# Altium PCB MB1605.PcbDoc (part 9 of 11) (continued)
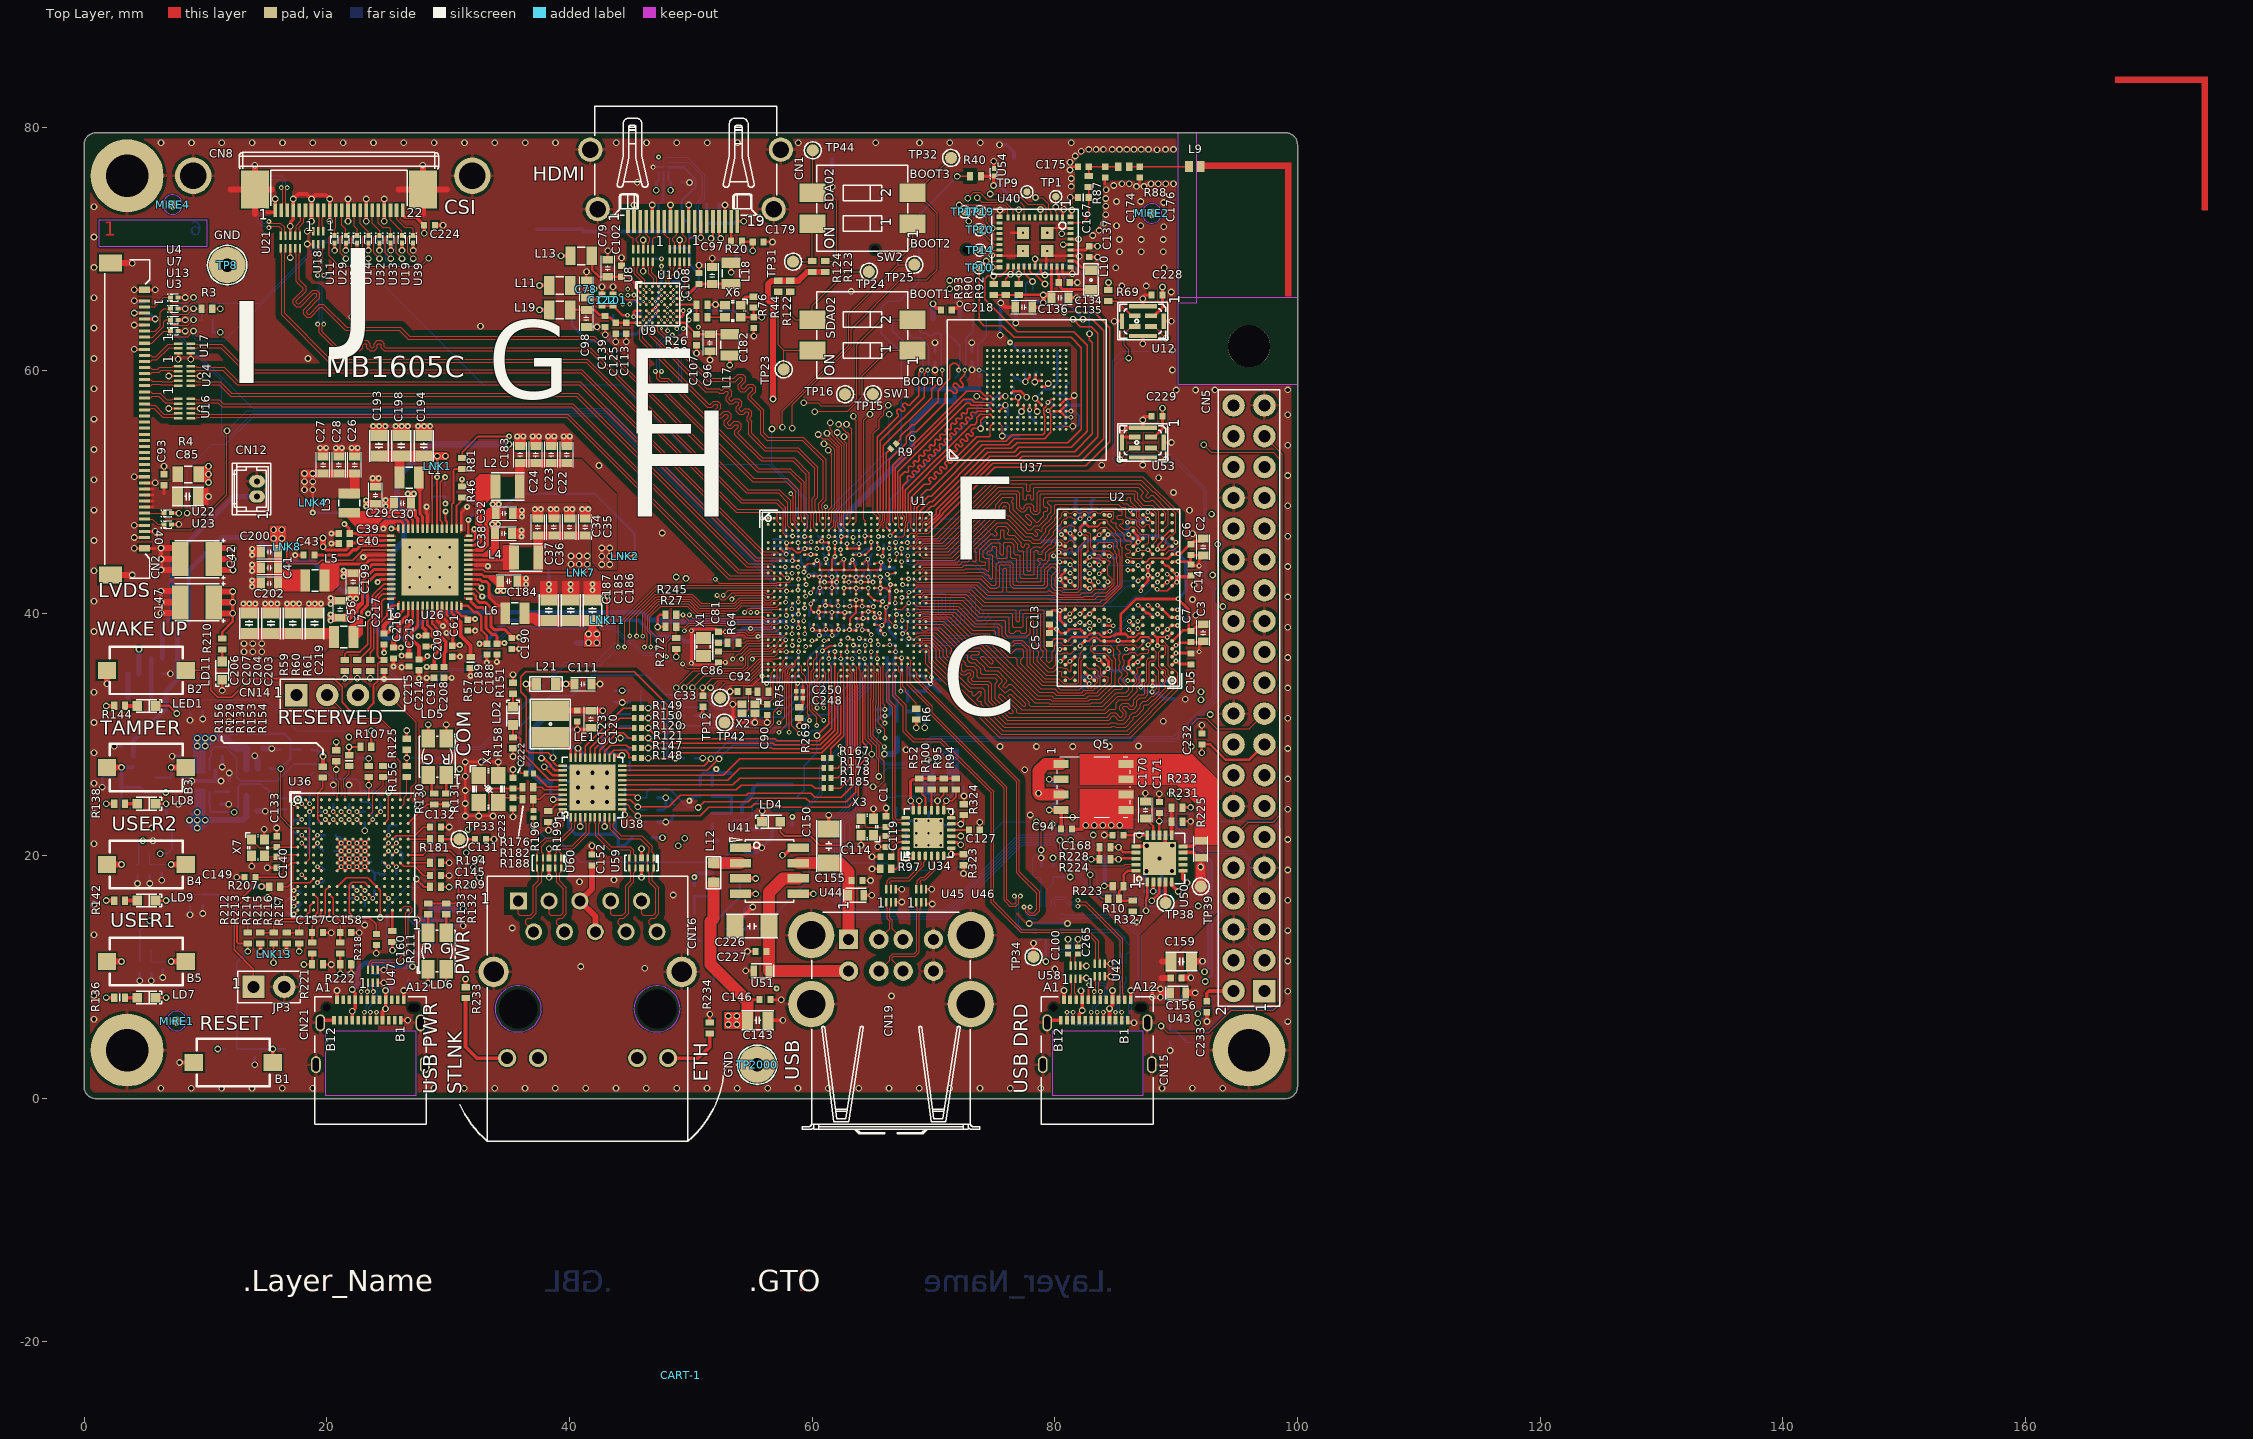
[diagram p0: Top Layer view]
## Nets (pads, with @x,y where several pads share a name; then routed paths per layer and width w, separated by ;. In a path a pad name is that pad's centre, name@x,y a point inside that pad or via, vN(x,y) a via of type N, cw(c..) or ccw(c..) an arc to the next point about the centre after c; other vN are vias at no path point) (continued)
SD.uSD_DETECT: R40.1 U1.G13 | length 38.6
  Top Layer w0.1: U1.G13@62.375,44.825 v3@62.375,45.3
  Top Layer w0.11: v1(71.95,76) 72.99,76 R40.1@73.015,76.025
  Bottom Layer w0.11: v3@62.343,45.253 62.343,45.88 62.045,46.178 61.906,46.317 61.906,48.34 67.341,53.775 67.341,61.453 65.707,63.087 65.707,65.218 66.215,65.726 67.197,65.726 68.768,67.297 68.768,72.818 v1(71.95,76)
  other v3: 62.34,45.25
SRC_GDPG: C94.1 Q5.2 Q5.4 R325.2 U50.5 | length 24.1
  Top Layer w0.2: Q5.2@80.528,26.329 Q5.2@80.533,26.334
  Top Layer w0.3: v1(79.533,23.789) Q5.4@80.528,23.789 ; v1(79.533,26.329) Q5.2@80.528,26.329 ; C94.1@80.533,22.224 Q5.4@80.533,23.794 ; U50.5@89.613,17.873 89.613,17.623 v1(90.163,17.073)
  Signal Layer 2 w0.3: v1(79.533,23.789) 88.476,23.789 90.2,22.065 90.2,17.11 v1(90.163,17.073)
  Bottom Layer w0.3: v1(79.533,23.789) 80.225,24.481 R325.2@80.225,25.178 80.225,25.637 v1(79.533,26.329)
SRC_GDPS: Q5.1 Q5.3 R325.1 U50.6 | length 25.5
  Top Layer w0.3: U50.6@90.538,18.798 90.538,18.148 v1(90.888,17.798)
  Top Layer w1: Q5.3@80.52,25.052 78.781,25.052 v1(78.655,25.178) 78.655,27.006 79.241,27.592 Q5.1@80.52,27.592
  Signal Layer 2 w0.3: v1(78.655,25.178) 79.433,25.178 80.273,24.338 88.683,24.338 90.888,22.133 v1(90.888,17.798)
  Bottom Layer w0.3: v1(78.655,25.178) R325.1@79.325,25.178
STLK_LED: R130.1 R131.2 U36.D15 | length 3.8
  Top Layer w0.12: U36.D15@26.715,22.682 28.283,24.25 R130.1@28.83,24.25
  Top Layer w0.2: R130.1@28.83,24.25 R131.2@29.858,24.25
STLK_NRST: C149.2 JP3.1 U36.J1 | length 14.7
  Top Layer w0.12: JP3.1@13.965,9.211 13.965,10.68 12.374,12.271 12.374,15.925 14.131,17.683 C149.2@14.131,18.239 ; C149.2@14.126,18.257 16.42,18.257 16.675,18.512 16.675,19.032 17.075,19.432 U36.J1@17.615,19.432
STLK_OSC_IN: C133.2 U36.G1 X7.1 | length 4.1
  Top Layer w0.1: X7.1@13.815,21.357 13.815,21.307 14.44,20.682 15.44,20.682 15.49,20.732 C133.2@15.885,20.732
  Top Layer w0.12: C133.2@15.885,20.732 U36.G1@17.615,20.732
STLK_OSC_OUT: C140.1 U36.H1 X7.3 | length 2.8
  Top Layer w0.1: X7.3@14.865,20.007 14.94,19.932 C140.1@15.885,19.932
  Top Layer w0.12: C140.1@15.885,19.932 16.44,19.932 16.59,20.082 U36.H1@17.615,20.082
STLK_SWCLK: CN14.2 U36.A14 | length 12.6
  Top Layer w0.1: CN14.2@20.035,33.257 21.93,31.363 24.431,31.363 25.045,30.748 25.74,30.053 25.74,28.092 26.065,27.767 U36.A14@26.065,24.632
STLK_SWDIO: CN14.4 U36.A15 | length 9.8
  Top Layer w0.1: CN14.4@25.115,33.257 27.365,31.007 27.365,26.04 26.975,25.65 26.975,24.892 U36.A15@26.715,24.632
STLK_UCPD_CC1_C: C157.1 R217.1 U36.M5 | length 5.3
  Top Layer w0.12: 19.058,14.325 19.89,15.157 19.89,17.157 U36.M5@20.215,17.482
  Top Layer w0.125: C157.1@18.795,13.682 18.795,14.251 18.868,14.325 19.058,14.325
  Top Layer w0.2: R217.1@18.795,12.857 C157.1@18.795,13.682
STLK_UCPD_CC2_C: C158.1 R218.1 U36.N5 | length 4.3
  Top Layer w0.12: U36.N5@20.215,16.832 20.54,16.507 20.54,15.207 21.115,14.632 C158.1@21.115,13.682
  Top Layer w0.2: R218.1@21.115,12.857 C158.1@21.115,13.682
STLK_USB_CN_N: CN21.A7 CN21.B7 U47.2 | length 5.5
  Top Layer w0.1: CN21.B7@23.1,6.46 v2(23.1,7.12) ; U47.2@23.8,9.561 23.8,8.87 v2(23.85,8.82) CN21.A7@23.85,8.16
  Bottom Layer w0.1: v2(23.1,7.12) 23.1,7.189 23.24,7.329 23.24,7.642 23.324,7.726 23.961,8.364 24.205,8.607 24.205,9.089 24.039,9.255 23.769,9.255 23.71,9.196 23.71,9.029 23.85,8.889 v2(23.85,8.82)
STLK_USB_CN_P: CN21.A6 CN21.B6 U47.1 | length 6.3
  Top Layer w0.1: CN21.A6@23.35,8.16 v2(23.35,8.82) 23.4,8.87 U47.1@23.4,9.561 ; CN21.B6@23.6,6.46 v2(23.6,7.12)
  Bottom Layer w0.1: v2(23.35,8.82) 23.35,8.889 23.49,9.029 23.49,9.288 23.677,9.475 24.13,9.475 24.425,9.18 24.425,8.516 23.46,7.551 23.46,7.329 23.6,7.189 v2(23.6,7.12)
STLK_USB_N: U36.R14 U47.5 | length 8.9
  Top Layer w0.1: U47.5@23.8,10.611 23.8,10.861 23.71,10.951 23.71,11.154 23.788,11.232 25.93,11.232 26.725,12.027 26.725,15.1 27.05,15.425 27.05,15.65 26.85,15.85 26.383,15.85 U36.R14@26.065,15.532
STLK_USB_P: U36.R15 U47.6 | length 7.5
  Top Layer w0.1: U47.6@23.4,10.611 23.4,10.861 23.49,10.951 23.49,11.245 23.697,11.452 25.839,11.452 26.505,12.118 26.505,15.322 U36.R15@26.715,15.532
STLK_VCP_RX: R154.1 U36.C10 | length 3.7
  Top Layer w0.1: U36.C10@23.465,23.332 23.79,23.657 23.79,24.994 24.64,25.844 R154.1@24.64,26.507
STLK_VCP_TX: R134.1 U36.A7 | length 3
  Top Layer w0.1: U36.A7@21.515,24.632 21.515,25.531 21.415,25.631 21.415,26.337 21.84,26.762 R134.1@21.84,27.407
T_JTDI: R207.1 U36.L3 | length 3
  Top Layer w0.12: R207.1@16.165,17.482 16.79,17.482 17.115,17.807 18.59,17.807 U36.L3@18.915,18.132
T_PWR_EN: R229.2 R239.2 U36.R5 U49.4 U52.2 | length 26
  Top Layer w0.12: v1(20.215,14.832) U36.R5@20.215,15.532
  Signal Layer 4 w0.12: v1(12.374,23.612) 12.374,22.673 14.374,20.673 14.374,18.214 14.126,17.966 14.126,16.853 16.147,14.832 v1(20.215,14.832)
  Bottom Layer w0.15: U52.2@10.336,25.277 10.336,24.307 R239.2@10.386,24.257 10.386,23.7 10.474,23.612 v1(12.374,23.612) 12.688,23.926 12.688,25.713 12.905,25.931 14.553,25.931 14.916,25.568 15.056,25.568 15.281,25.343 U49.4@15.281,24.993 15.281,24.969 15.506,24.744 R229.2@16.69,24.744
T_PWR_EXT: R215.1 R216.1 U36.R4 | length 4.1
  Top Layer w0.12: R215.1@16.69,13.682 R216.1@17.74,13.682 17.74,14.232 17.833,14.325 18.445,14.325 18.752,14.632 18.915,14.632 19.565,15.282 U36.R4@19.565,15.532
T_PWR_INT: C25.2 R226.2 R227.2 R230.2 U36.J2 U49.3 | length 18.9
  Top Layer w0.1: v1(16.202,27.193) 16.202,23.213 17.086,22.329 18.454,22.329 18.59,22.193 18.59,19.757 U36.J2@18.265,19.432
  Bottom Layer w0.2: C25.2@13.492,31.068 R230.2@13.492,30.075 16.52,30.075 17.015,29.58 R226.2@17.015,28.75 ; U49.3@15.281,27.193 v1(16.202,27.193) 17.015,28.005 R226.2@17.015,28.75 ; R227.2@17.865,28.75 R226.2@17.015,28.75
T_PWR_LED: R132.2 R133.2 U36.H15 | length 10.5
  Top Layer w0.15: U36.H15@26.715,20.082 27.935,20.082 28.26,20.407 30.181,20.407 30.858,19.73 30.858,16.389 30.563,16.094 R132.2@29.85,16.094 R133.2@28.35,16.094
T_PWR_SEL1: R241.2 U36.D10 | length 2.7
  Top Layer w0.15: U36.D10@23.465,22.682 v3(23.79,23.007)
  Bottom Layer w0.15: R241.2@22.765,24.45 23.41,24.45 23.79,24.07 v3(23.79,23.007)
T_PWR_SEL2: R240.2 U36.C11 | length 1.3
  Top Layer w0.15: U36.C11@24.115,23.332 v3(24.44,23.657)
  Bottom Layer w0.15: R240.2@24.335,24.45 24.44,24.345 v3(24.44,23.657)
T_SWCLK: R153.1 U36.A10 U36.M6 U36.M11 | length 20.6
  Top Layer w0.12: U36.M6@20.865,17.482 21.603,18.22 23.377,18.22 U36.M11@24.115,17.482 24.415,17.182 v1(24.415,14.932) ; U36.A10@23.465,24.632 v1(23.465,25.832)
  Top Layer w0.2: v1(23.465,25.832) R153.1@23.465,26.507
  Signal Layer 2 w0.1: v1(23.465,25.832) 23.465,23.715 23.05,23.3 23.05,23.072 22.705,22.727 22.705,21.902 22.96,21.647 23.378,21.647 24.415,20.61 v1(24.415,14.932)
T_SWDIO: R209.1 U36.L2 U36.N12 | length 16.4
  Top Layer w0.15: v3(17.94,18.457) U36.L2@18.265,18.132 ; U36.N12@24.765,16.832 v3(25.09,16.507)
  Top Layer w0.2: v1(27.37,18.107) 28.034,17.443 R209.1@28.515,17.443
  Signal Layer 2 w0.1: v3(17.94,18.457) 19.69,18.457 23.997,14.15 24.8,14.15 25.09,14.44 v3(25.09,16.507) 26.69,18.107 v1(27.37,18.107)
T_SWO: R129.1 U36.A6 U36.D12 | length 11.3
  Top Layer w0.1: v1(20.79,27.132) 20.79,26.303 20.99,26.103 20.99,25.157 20.865,25.032 U36.A6@20.865,24.632
  Top Layer w0.12: U36.D12@24.765,22.682 25.09,23.007 v1(25.09,25.232)
  Top Layer w0.2: v1(20.79,27.132) R129.1@20.79,27.807
  Signal Layer 2 w0.1: v1(20.79,27.132) 21.304,26.618 24.029,26.618 24.785,25.862 24.785,25.537 v1(25.09,25.232)
T_VCC: LNK13.2 R214.2 | length 0.6
  Top Layer w0.2: LNK13.2@15.615,12.137 R214.2@15.615,12.782
T_VCC_AIN: R213.1 R214.1 U36.N3 | length 7.4
  Top Layer w0.12: R213.1@14.54,13.682 R214.1@15.615,13.682 15.615,14.325 15.873,14.582 18.177,14.582 18.561,14.966 18.856,14.966 19.24,15.35 19.24,16.507 U36.N3@18.915,16.832
TCPP_EN: R10.1 U1.AD18 | length 51.2
  Top Layer w0.1: U1.AD18@64.875,36.325 v3(64.875,36.829) ; v1(82.926,18.448) 82.926,17.455 83.896,16.485 R10.1@84.4,16.485
  Bottom Layer w0.1: v3(64.875,36.829) 64.866,36.82 64.866,36.543 64.798,36.474 64.798,36.026 64.658,35.887 64.658,34.075 64.579,33.995 64.579,33.992 63.387,32.8 63.387,23.901 62.28,22.793 62.28,16.654 63.514,15.42 70.966,15.42 77.087,21.54 79.771,21.54 80.161,21.93 81.588,21.93 82.37,21.148 82.37,19.984 82.368,19.981 82.368,19.006 v1(82.926,18.448)
TCPP_INTN: U1.AD4 U50.19 | length 43
  Top Layer w0.09: 57.125,34.075 57.125,35.429 57.271,35.575 57.479,35.575 57.625,35.721 57.625,36.075 U1.AD4@57.875,36.325
  Top Layer w0.1: v2(56.956,32.51) 56.956,32.865 57.125,33.033 57.125,34.075 ; v1(81.307,21.305) 82.17,20.443 82.17,19.94 82.9,19.21 85.712,19.21 85.799,19.298 U50.19@86.688,19.298
  Signal Layer 3 w0.1: v2(56.956,32.51) 55.868,31.421 55.868,30.421 63.051,23.238 71.27,23.238 71.294,23.215 71.646,23.215 71.723,23.292 72.609,23.292 73.95,21.951 81.142,21.951 81.307,21.786 v1(81.307,21.305)
TMDS_CLK_N: U9.B7 U10.10 | length 3.2
  Top Layer w0.09: U9.B7@48.836,66.435 48.996,66.435 49.121,66.56 49.329,66.56 49.804,67.035 49.804,68.478 49.879,68.553 U10.10@49.879,68.948
TMDS_CLK_P: U9.A7 U10.9 | length 2.7
  Top Layer w0.09: U9.A7@48.836,66.935 48.996,66.935 49.121,66.81 49.226,66.81 49.554,67.139 49.554,67.211 49.554,68.15 49.554,68.478 49.479,68.553 U10.9@49.479,68.948
TMDS_D0_N: U9.A6 U10.7 | length 2.3
  Top Layer w0.09: U9.A6@48.336,66.935 48.211,67.06 48.211,67.567 48.604,67.96 48.604,68.478 48.679,68.553 U10.7@48.679,68.948
TMDS_D0_P: U9.A5 U10.6 | length 2.3
  Top Layer w0.09: U9.A5@47.836,66.935 47.961,67.06 47.961,67.67 48.354,68.063 48.354,68.478 48.279,68.553 U10.6@48.279,68.948
TMDS_D1_N: U8.10 U9.A4 | length 2.3
  Top Layer w0.09: U8.10@46.872,68.948 46.872,68.553 46.797,68.478 46.797,68.063 47.211,67.649 47.211,67.06 U9.A4@47.336,66.935
TMDS_D1_P: U8.9 U9.A3 | length 2.3
  Top Layer w0.09: U8.9@46.472,68.948 46.472,68.553 46.547,68.478 46.547,67.96 46.961,67.546 46.961,67.06 U9.A3@46.836,66.935
TMDS_D2_N: U8.7 U9.A2 | length 2.4
  Top Layer w0.09: U8.7@45.672,68.948 45.672,68.553 45.597,68.478 45.597,68.063 46.211,67.448 46.211,67.06 U9.A2@46.336,66.935
TMDS_D2_P: U8.6 U9.A1 | length 2.4
  Top Layer w0.09: U8.6@45.272,68.948 45.272,68.553 45.347,68.478 45.347,67.959 45.961,67.345 45.961,67.06 U9.A1@45.836,66.935
TX1_N: CN15.A3 U58.2 | length 1.8
  Top Layer w0.1: U58.2@81.7,9.888 81.7,9.493 81.625,9.418 81.625,9.144 81.625,8.68 81.75,8.555 CN15.A3@81.75,8.16
TX1_P: CN15.A2 U58.1 | length 1.8
  Top Layer w0.1: CN15.A2@81.25,8.16 81.25,8.555 81.375,8.68 81.375,9.144 81.375,9.419 81.3,9.493 U58.1@81.3,9.888
TX2_N: CN15.B3 U57.2 | length 3.9
  Top Layer w0.1: CN15.B3@85,6.46 v2(85,7.12)
  Bottom Layer w0.1: v2(85,7.12) 85.14,7.26 85.14,8.032 85.429,8.32 85.429,9.187 85.588,9.346 85.588,9.583 85.498,9.673 U57.2@85.498,10.073
TX2_P: CN15.B2 U57.1 | length 3.9
  Top Layer w0.1: CN15.B2@85.5,6.46 v2(85.5,7.12)
  Bottom Layer w0.1: v2(85.5,7.12) 85.36,7.26 85.36,7.941 85.649,8.229 85.649,9.096 85.808,9.255 85.808,9.583 85.898,9.673 U57.1@85.898,10.073
TX10_N: C265.1 U56.16 | length 4.4
  Top Layer w0.1: C265.1@81.906,12.516 v1(81.906,13.13)
  Bottom Layer w0.1: U56.16@79.668,13.096 79.699,13.065 79.699,12.775 79.758,12.716 79.758,12.331 79.992,12.096 81.383,12.096 81.606,12.32 81.606,12.831 v1(81.906,13.13)
TX10_P: C100.1 U56.15 | length 3.7
  Top Layer w0.1: C100.1@81.087,12.516 v1(81.087,13.13)
  Bottom Layer w0.1: U56.15@80.068,13.096 80.037,13.065 80.037,12.775 79.978,12.716 79.978,12.422 80.084,12.316 80.175,12.316 81.158,12.316 81.291,12.316 81.386,12.411 81.386,12.831 v1(81.087,13.13)
TX20_N: C267.1 U56.14 | length 6
  Bottom Layer w0.1: U56.14@80.408,13.636 80.698,13.636 80.788,13.726 82.375,13.726 83.7,13.726 84.995,13.726 85.592,13.13 85.592,13.001 C267.1@85.292,12.701
TX20_P: C266.1 U56.13 | length 6.4
  Bottom Layer w0.1: U56.13@80.408,14.036 80.698,14.036 80.788,13.946 85.087,13.946 85.812,13.221 85.812,13.001 C266.1@86.111,12.701
UART5_RX: R125.1 R155.1 U1.M4 | length 40.1
  Top Layer w0.09: 55.625,42.094 57.123,42.094 57.141,42.075 57.625,42.075 57.87,42.32 U1.M4@57.875,42.32
  Top Layer w0.093: 55.56,42.094 55.625,42.094
  Top Layer w0.1: v2(44.55,37.221) 44.55,39.322 47.321,42.094 55.56,42.094
  Top Layer w0.2: R155.1@26.59,27.407 v1(26.59,28.082) R125.1@26.59,28.757
  Bottom Layer w0.1: v1(26.59,28.082) 29.612,28.082 30.512,28.982 32.644,28.982 39.638,35.976 42.189,35.976 43.773,37.56 44.211,37.56 v2(44.55,37.221)
UART5_TX: R211.1 U1.M3 | length 53.8
  Top Layer w0.09: 55.625,42.294 57.252,42.294 57.257,42.298 57.348,42.298 U1.M3@57.375,42.325
  Top Layer w0.1: v2(44.025,37.21) 44.025,39.08 47.239,42.294 55.625,42.294
  Top Layer w0.2: v1(25.415,12.237) R211.1@25.415,12.912
  Bottom Layer w0.1: v1(25.415,12.237) 24.977,12.675 24.977,15.819 26.59,17.432 27.585,17.432 28.785,18.632 28.785,26.972 30.595,28.782 32.727,28.782 39.67,35.725 42.54,35.725 v2(44.025,37.21)
UCPD_CC1: TP37.1 U1.AB18 U50.1 | length 58.9
  Top Layer w0.1: v3(64.8,37.75) U1.AB18@64.875,37.325
  Top Layer w0.2: v1(87.515,15.488) 87.515,16.507 87.613,16.604 U50.1@87.613,17.873
  Bottom Layer w0.1: v3(64.8,37.75) 64.28,37.75 63.529,36.999 63.529,36.614 63.714,36.43 63.714,35.984 64.058,35.64 64.058,34.32 63.813,34.075 62.787,33.049 62.787,24.149 61.67,23.032 61.67,16.415 63.266,14.82 71.214,14.82 77.335,20.94 79.898,20.94 81.77,19.068 81.77,18.371 83.591,16.55 86.453,16.55 v1(87.515,15.488) TP37.1@88.449,15.218
UCPD_CC2: TP36.1 U1.AA19 U50.3 | length 57.5
  Top Layer w0.1: U1.AA19@65.375,37.825 v3(65.444,37.416)
  Top Layer w0.2: v1(87.99,16.31) 88.303,16.622 88.309,16.622 88.588,16.901 88.588,16.907 88.613,16.932 U50.3@88.613,17.873
  Bottom Layer w0.1: v3(65.444,37.416) 65.444,36.852 64.988,36.395 64.988,35.909 64.858,35.78 64.858,34.075 64.858,33.989 63.587,32.717 63.587,23.818 62.48,22.711 62.48,16.737 63.597,15.62 70.883,15.62 77.004,21.74 79.689,21.74 80.078,22.13 81.671,22.13 82.57,21.231 82.57,19.901 82.568,19.899 82.568,19.407 83.5,18.475 83.5,17.207 83.757,16.95 85.198,16.95 TP36.1@85.798,17.551 86.399,16.95 86.618,16.95 87.258,16.31 v1(87.99,16.31)
USART1_CTS: U1.N7 U40.5 | length 65
  Top Layer w0.1: U1.N7@59.375,41.825 59.437,41.504 v3(59.457,41.4) ; U40.5@78.825,72.625 v1(78.825,73.275)
  Signal Layer 3 w0.1: v3(59.457,41.4) 59.457,41.826 59.855,42.224 59.855,42.514 59.644,42.725 59.505,42.725 58.975,43.255 58.9,43.255 57.479,44.676 57.479,46.408 59.646,48.575 61.321,50.25 81.278,50.25 84.65,53.622 84.65,58.764 81.346,62.068 81.306,62.109 75.919,67.496 75.919,69.265 74.375,70.809 74.375,71.851 74.674,72.15 77.7,72.15 v1(78.825,73.275)
USART1_RTS: U1.N5 U40.4 | length 69.1
  Top Layer w0.09: v3(57.9,41.825) U1.N5@58.375,41.825
  Top Layer w0.1: v1(74.675,74.55) 75.225,74.55 75.5,74.275 77.191,74.275 77.766,73.7 79.001,73.7 79.275,73.426 U40.4@79.275,72.625
  Signal Layer 3 w0.1: v3(57.9,41.825) 57.863,41.825 56.679,43.009 56.679,46.739 58.515,48.575 60.99,51.05 80.947,51.05 83.85,53.953 83.85,58.433 81.346,60.937 80.174,62.109 75.508,66.775 74.613,66.775 72.045,69.343 72.045,72.041 73.443,73.44 73.565,73.44 v1(74.675,74.55)
USART1_RX: TP9.1 U1.K6 U40.3 | length 68.8
  Top Layer w0.09: v3(58.875,42.8) U1.K6@58.875,43.325
  Top Layer w0.1: TP9.1@77.7,74.725 v1(78.406,74.258) 78.957,74.258 79.506,73.708 79.506,73.306 79.725,73.087 U40.3@79.725,72.625
  Signal Layer 3 w0.1: v3(58.875,42.8) 58.84,42.8 58.61,42.57 57.686,42.57 57.079,43.178 57.079,46.573 59.08,48.575 61.155,50.65 81.113,50.65 84.25,53.787 84.25,58.599 81.346,61.502 80.74,62.109 75.574,67.275 74.679,67.275 73.55,68.404 73.55,72.475 75.333,74.258 v1(78.406,74.258)
USART1_TX: TP1.1 U1.N1 U40.2 | length 79.9
  Top Layer w0.09: 55.625,41.894 56.207,41.894 56.251,41.85 56.35,41.85 U1.N1@56.375,41.825
  Top Layer w0.1: v2(52.675,41.475) 53.094,41.894 55.625,41.894 ; TP1.1@80.075,74.331 v1(80.075,73.473) 80.075,73.1 80.175,73 U40.2@80.175,72.625
  Signal Layer 3 w0.1: v2(52.675,41.475) 52.675,46.498 58.027,51.85 80.616,51.85 83.05,54.284 83.05,58.059 81.346,59.763 79.001,62.109 77.609,63.5 76.55,63.5 71.245,68.805 71.245,73.371 73.549,75.675 78.4,75.675 80.075,74 v1(80.075,73.473)
USART2_RX: R107.1 R134.2 U1.AA17 | length 61.7
  Top Layer w0.1: v3(63.9,37.925) 63.94,37.885 64.055,37.885 U1.AA17@64.375,37.825
  Top Layer w0.2: R134.2@21.84,28.307 v1(21.84,28.982) R107.1@22.775,28.982
  Signal Layer 2 w0.1: v1(21.84,28.982) 23.206,27.616 23.641,27.616 24.077,28.052 25.736,28.052 26.387,27.401 26.387,23.879 29.929,20.337 30.398,20.337 31.235,19.5 32.251,19.5 32.376,19.375 33.212,19.375 33.575,19.737 49.53,19.737 56.505,26.712 56.751,26.712 59.539,29.5 60.576,29.5 61.35,30.274 61.35,33.93 62.725,35.305 62.725,36.47 62.525,36.67 62.525,37.007 63.443,37.925 v3(63.9,37.925)
USART2_TX: R154.2 U1.AG17 | length 58.2
  Top Layer w0.09: 64.375,34.075 U1.AG17@64.375,34.825
  Top Layer w0.1: R154.2@24.64,27.407 24.658,27.425 v1(25.457,27.425) ; 64.375,34.075 64.375,29.626 64.904,29.097 v1(64.904,28.387)
  Signal Layer 2 w0.1: v1(25.457,27.425) 25.987,26.895 25.987,23.666 29.716,19.937 30.233,19.937 32.37,17.8 32.726,17.8 33.295,18.369 33.339,18.369 33.908,18.937 49.861,18.937 56.836,25.912 64.208,25.912 64.904,26.608 v1(64.904,28.387)
USB1CN_N: CN19.T2 U45.1 | length 3.6
  Top Layer w0.1: CN19.T2@65.5,13.13 66.39,14.02 66.39,14.627 66.19,14.827 66.19,15.71 66.1,15.8 U45.1@66.1,16.2
USB1CN_P: CN19.T3 U45.2 | length 3.6
  Top Layer w0.1: U45.2@66.5,16.2 66.5,15.8 66.41,15.71 66.41,14.918 66.61,14.718 66.61,14.02 CN19.T3@67.5,13.13
USB2CN_N: CN19.B2 U46.1 | length 8.1
  Top Layer w0.1: CN19.B2@65.5,10.51 66.39,11.4 66.39,11.7 66.627,11.937 68.404,11.937 68.625,12.157 68.625,15.281 68.674,15.33 68.674,15.71 68.584,15.8 U46.1@68.584,16.2
USB2CN_P: CN19.B3 U46.2 | length 8.1
  Top Layer w0.1: CN19.B3@67.5,10.51 66.61,11.4 66.61,11.609 66.718,11.717 68.495,11.717 68.845,12.066 68.845,15.19 68.894,15.239 68.894,15.71 68.984,15.8 U46.2@68.984,16.2
USB3RX_N: U1.AF25 U56.4 | length 27.7
  Top Layer w0.09: 68.625,34.721 68.625,34.936
  Top Layer w0.1: U1.AF25@68.375,35.325 68.625,35.075 68.625,34.936 ; 68.625,34.721 68.625,34.669 77.08,26.214 77.08,18.706 78.75,17.036 78.75,15.5 78.366,15.116 77.871,15.116 77.598,15.39 77.598,15.584 77.458,15.724 v2(77.458,15.792)
  Bottom Layer w0.1: v2(77.458,15.792) 77.598,15.652 77.598,15.218 77.89,14.926 78.148,14.926 78.238,14.836 U56.4@78.528,14.836
USB3RX_P: U1.AG25 U56.5 | length 26
  Top Layer w0.1: U1.AG25@68.375,34.825 68.4,34.8 68.4,34.583 76.86,26.123 76.86,18.615 77.21,18.265 78.53,16.945 78.53,16.544 78.53,15.591 78.275,15.336 77.963,15.336 77.818,15.481 77.818,15.584 77.958,15.724 v2(77.958,15.792)
  Bottom Layer w0.1: v2(77.958,15.792) 77.818,15.652 77.818,15.309 77.981,15.146 78.148,15.146 78.238,15.236 U56.5@78.528,15.236
USB3TX_N: U1.AD24 U56.1 | length 29.3
  Top Layer w0.09: 68.125,35.62 68.125,35.936
  Top Layer w0.1: U1.AD24@67.875,36.325 68.125,36.075 68.125,35.936 ; 68.125,35.62 68.066,35.561 68.066,34.201 69.917,32.349 69.917,31.796 76.032,25.681 76.032,16.435 76.395,16.072 76.679,16.072 76.807,16.2 76.807,16.55 v2(76.667,16.69)
  Bottom Layer w0.1: v2(76.667,16.69) 76.807,16.55 76.807,14.204 77.286,13.726 78.148,13.726 78.238,13.636 U56.1@78.528,13.636
USB3TX_P: U1.AE24 U56.2 | length 29.1
  Top Layer w0.1: U1.AE24@67.875,35.825 67.859,35.809 67.859,35.666 67.846,35.652 67.846,34.11 69.697,32.258 69.697,31.705 75.812,25.59 75.812,16.344 76.304,15.852 76.771,15.852 77.027,16.109 77.027,16.55 v2(77.167,16.69)
  Bottom Layer w0.1: v2(77.167,16.69) 77.027,16.55 77.027,15.198 77.027,14.296 77.173,14.15 77.377,13.946 78.148,13.946 78.238,14.036 U56.2@78.528,14.036
USB_DCONN_N: CN15.A7 CN15.B7 U42.2 | length 6.3
  Top Layer w0.1: CN15.B7@83,6.46 v2(83,7.12) ; U42.2@83.7,10.073 83.7,9.673 83.61,9.583 83.61,8.96 v2(83.75,8.82) CN15.A7@83.75,8.16
  Bottom Layer w0.1: v2(83,7.12) 83,7.189 83.14,7.329 83.14,7.642 83.274,7.776 83.886,8.389 84.105,8.607 84.105,9.255 84.014,9.346 83.701,9.346 83.61,9.255 83.61,9.029 83.75,8.889 v2(83.75,8.82)
USB_DCONN_P: CN15.A6 CN15.B6 U42.1 | length 7.1
  Top Layer w0.1: CN15.A6@83.25,8.16 v2(83.25,8.82) 83.39,8.96 83.39,9.583 83.3,9.673 U42.1@83.3,10.073 ; CN15.B6@83.5,6.46 v2(83.5,7.12)
  Bottom Layer w0.1: v2(83.25,8.82) 83.25,8.889 83.39,9.029 83.39,9.346 83.61,9.566 84.105,9.566 84.325,9.346 84.325,8.516 83.36,7.551 83.36,7.329 83.5,7.189 v2(83.5,7.12)
USBDN1_N: U34.2 U45.6 | length 4.9
  Top Layer w0.1: U45.6@66.1,17.25 66.1,17.65 66.19,17.74 66.19,17.963 66.422,18.196 67.903,18.196 68.977,19.269 68.977,19.471 68.837,19.611 U34.2@68.837,20.006
USBDN1_P: U34.3 U45.5 | length 4.9
  Top Layer w0.1: U45.5@66.5,17.25 66.5,17.65 66.41,17.74 66.41,17.872 66.514,17.976 67.995,17.976 69.197,19.178 69.197,19.471 69.337,19.611 U34.3@69.337,20.006
USBDN2_N: U34.4 U46.6 | length 3.5
  Top Layer w0.1: U46.6@68.584,17.25 68.584,17.65 68.674,17.74 68.674,17.963 68.956,18.245 69.22,18.245 69.977,19.002 69.977,19.471 69.837,19.611 U34.4@69.837,20.006
USBDN2_P: U34.5 U46.5 | length 3.5
  Top Layer w0.1: U46.5@68.984,17.25 68.984,17.65 68.894,17.74 68.894,17.872 69.047,18.025 69.311,18.025 70.197,18.911 70.197,19.471 70.337,19.611 U34.5@70.337,20.006
USBDR_N: U1.AG22 U42.5 | length 35.1
  Top Layer w0.1: U1.AG22@66.875,34.825 66.875,34.075 66.875,33.269 67.74,32.404 67.74,30.318 68.412,29.645 70.607,29.645 74.97,25.282 74.97,16.254 77.294,13.93 82.664,13.93 83.61,12.984 83.61,11.613 83.7,11.523 U42.5@83.7,11.123
USBDR_P: U1.AF22 U42.6 | length 35.7
  Top Layer w0.09: 66.625,34.714 66.625,34.936
  Top Layer w0.1: 66.625,34.714 66.625,33.208 67.52,32.313 67.52,30.227 68.321,29.425 70.516,29.425 74.75,25.191 74.75,16.163 77.203,13.71 82.573,13.71 83.39,12.893 83.39,11.613 83.3,11.523 U42.6@83.3,11.123 ; 66.625,34.936 66.625,35.075 U1.AF22@66.875,35.325
USBH_N: U1.AG21 U34.19 | length 12.8
  Top Layer w0.1: U1.AG21@66.375,34.825 66.375,32.814 66.854,32.335 66.854,23.152 67.007,22.998 67.29,22.998 67.352,23.061 67.627,23.061 U34.19@67.705,23.138
USBH_P: U1.AF21 U34.20 | length 13.8
  Top Layer w0.1: U1.AF21@66.375,35.325 66.12,35.07 66.12,34.719 66.155,34.684 66.155,33.97 66.155,32.723 66.634,32.244 66.634,23.061 66.916,22.778 67.29,22.778 67.352,22.716 67.627,22.716 U34.20@67.705,22.638
USBSW_OE: R105.1 U1.AC17 U56.7 | length 52
  Top Layer w0.1: U1.AC17@64.375,36.825 64.379,36.829 64.379,37.346 v3(64.375,37.35) ; v1(80.421,21.305) 80.421,20.572 80.788,20.206 80.788,18.755 v1(81.278,18.265)
  Bottom Layer w0.1: v3(64.375,37.35) 64.375,36.802 63.973,36.399 63.973,35.994 64.248,35.719 64.248,34.227 64.096,34.075 62.987,32.966 62.987,32.683 62.987,24.066 61.87,22.949 61.87,16.498 63.348,15.02 71.132,15.02 77.252,21.14 79.937,21.14 80.016,21.219 80.335,21.219 v1(80.421,21.305) ; U56.7@79.268,15.776 79.268,17.15 79.854,17.736 R105.1@79.854,18.265
  Bottom Layer w0.2: R105.1@79.854,18.265 v1(81.278,18.265)
USBSW_S: R106.2 U1.AE19 U56.6 | length 43.7
  Top Layer w0.09: U1.AE19@65.375,35.825 65.675,35.525 65.675,34.075 65.675,33.925
  Top Layer w0.1: 65.675,33.925 65.675,32.244 65.649,32.218 65.649,31.294 v2(65.999,30.944) ; v1(78.472,22.81) 78.868,22.414 v1(78.868,20.495)
  Bottom Layer w0.1: v2(65.999,30.944) 65.68,30.625 65.355,30.625 64.974,30.244 64.974,29.666 64.479,29.171 64.479,24.427 62.68,22.628 62.68,19.946 63.19,19.436 66.064,19.436 66.69,18.81 71.723,18.81 75.723,22.81 v1(78.472,22.81) ; U56.6@78.868,15.776 R106.2@78.868,18.265 78.341,18.265 78.196,18.41 78.196,19.823 v1(78.868,20.495)
VBAT: C87.2 D6.3 R139.2 U1.T6 | length 77.5
  Top Layer w0.15: v3(58.875,39.933) U1.T6@58.875,40.325
  Bottom Layer w0.1: 57.719,39.325 57.974,39.426 ; 58.354,39.829 58.276,39.751 58.276,39.729 57.974,39.426 ; v3(58.875,39.933) 58.875,39.338 58.547,39.01 58.21,39.01 57.895,39.325 57.872,39.325 57.974,39.426
  Bottom Layer w0.3: 58.354,39.829 58.458,39.933 v3(58.875,39.933)
  Bottom Layer w0.4: R139.2@4.056,28.2 C87.2@4.056,29.032 4.056,29.504 4.582,30.03 D6.3@4.582,30.891 5.483,30.891 6.763,32.171 6.763,33.586 7.692,34.516 7.692,38.246 8.636,39.19 8.636,43.525 11.361,46.25 14.195,46.25 16.205,44.24 18.897,44.24 21.324,41.812 22.835,41.812 24.194,40.454 24.194,38.509 24.76,37.942 26.492,37.942 28.63,40.08 45.97,40.08 46.605,39.445 47.505,39.445 47.626,39.325 57.719,39.325
VBUS_DIV: C99.1 R219.1 R220.2 TP35.1 U1.AE5 | length 79.4
  Top Layer w0.09: 57.76,34.344 57.765,34.349 57.765,35.078 57.805,35.118 57.805,35.363 58.24,35.798 58.348,35.798 U1.AE5@58.375,35.825
  Top Layer w0.1: v2(57.271,30.982) 57.725,31.436 57.725,34.309 57.76,34.344
  Signal Layer 3 w0.1: v2(57.271,30.982) 56.921,30.632 56.921,30.011 62.256,24.676 67.127,24.676 67.625,25.175 71.636,25.175 72.486,24.325 78.319,24.325 79.459,23.185 v1(81.464,23.185)
  Bottom Layer w0.1: v1(81.464,23.185) 82.068,23.788 90.132,23.788 90.423,23.498 91.853,23.498 92.503,22.848 98.009,22.848 98.613,22.244 98.613,7.8 98.213,7.4 94.436,7.4 91.686,4.65 TP35.1@90.888,4.65
  Bottom Layer w0.15: R219.1@89.5,6.429 R220.2@89.5,5.55 89.988,5.55 TP35.1@90.888,4.65
  Bottom Layer w0.2: R219.1@89.5,6.429 C99.1@90.437,6.429
VBUS_HOST_EN: R323.2 U34.7 U41.3 | length 20
  Top Layer w0.2: U34.7@71.47,20.638 v1(71.47,20.137) R323.2@72.483,20.137
  Top Layer w0.3: U41.3@54.104,18.143 v1(55.354,18.143)
  Signal Layer 2 w0.1: v1(55.354,18.143) 56.678,19.467 65.675,19.467 66.708,20.5 68.175,20.5 68.538,20.137 v1(71.47,20.137)
VBUS_HOST_EN2: R324.2 U34.11 U41.4 | length 24.1
  Top Layer w0.15: v1(72.249,22.638) 72.477,22.867 R324.2@72.477,23.367
  Top Layer w0.2: U34.11@71.47,22.638 v1(72.249,22.638)
  Top Layer w0.3: U41.4@54.104,16.873 v1(55.354,16.873)
  Signal Layer 2 w0.1: v1(55.354,16.873) 56.958,18.477 67.652,18.477 68.6,19.425 71.875,19.425 72.674,20.224 72.674,22.213 v1(72.249,22.638)
VBUS_HOST_FAULT2n: U34.12 U41.5 | length 21.2
  Top Layer w0.2: U34.12@71.47,23.138 v1(71.47,23.64)
  Top Layer w0.3: U41.5@58.854,16.873 v1(60.104,16.873)
  Signal Layer 2 w0.1: v1(60.104,16.873) 63.926,16.873 64.443,17.39 66.914,17.39 67.199,17.675 67.775,17.675 69.025,18.925 72.125,18.925 73.225,20.025 73.225,23.015 72.6,23.64 v1(71.47,23.64)
VBUS_HOST_FAULTn: U34.8 U41.8 | length 18.1
  Top Layer w0.2: U34.8@71.47,21.138 71.942,21.138 72.154,20.926 v1(72.249,20.926)
  Top Layer w0.3: v1(57.55,20.067) 57.598,20.115 57.761,20.115 58.329,20.683 U41.8@58.854,20.683
  Signal Layer 2 w0.1: v1(57.55,20.067) 60.942,20.067 62.525,21.65 64.15,21.65 64.395,21.405 71.77,21.405 v1(72.249,20.926)